# KiCad board panel.kicad_pcb (continued)
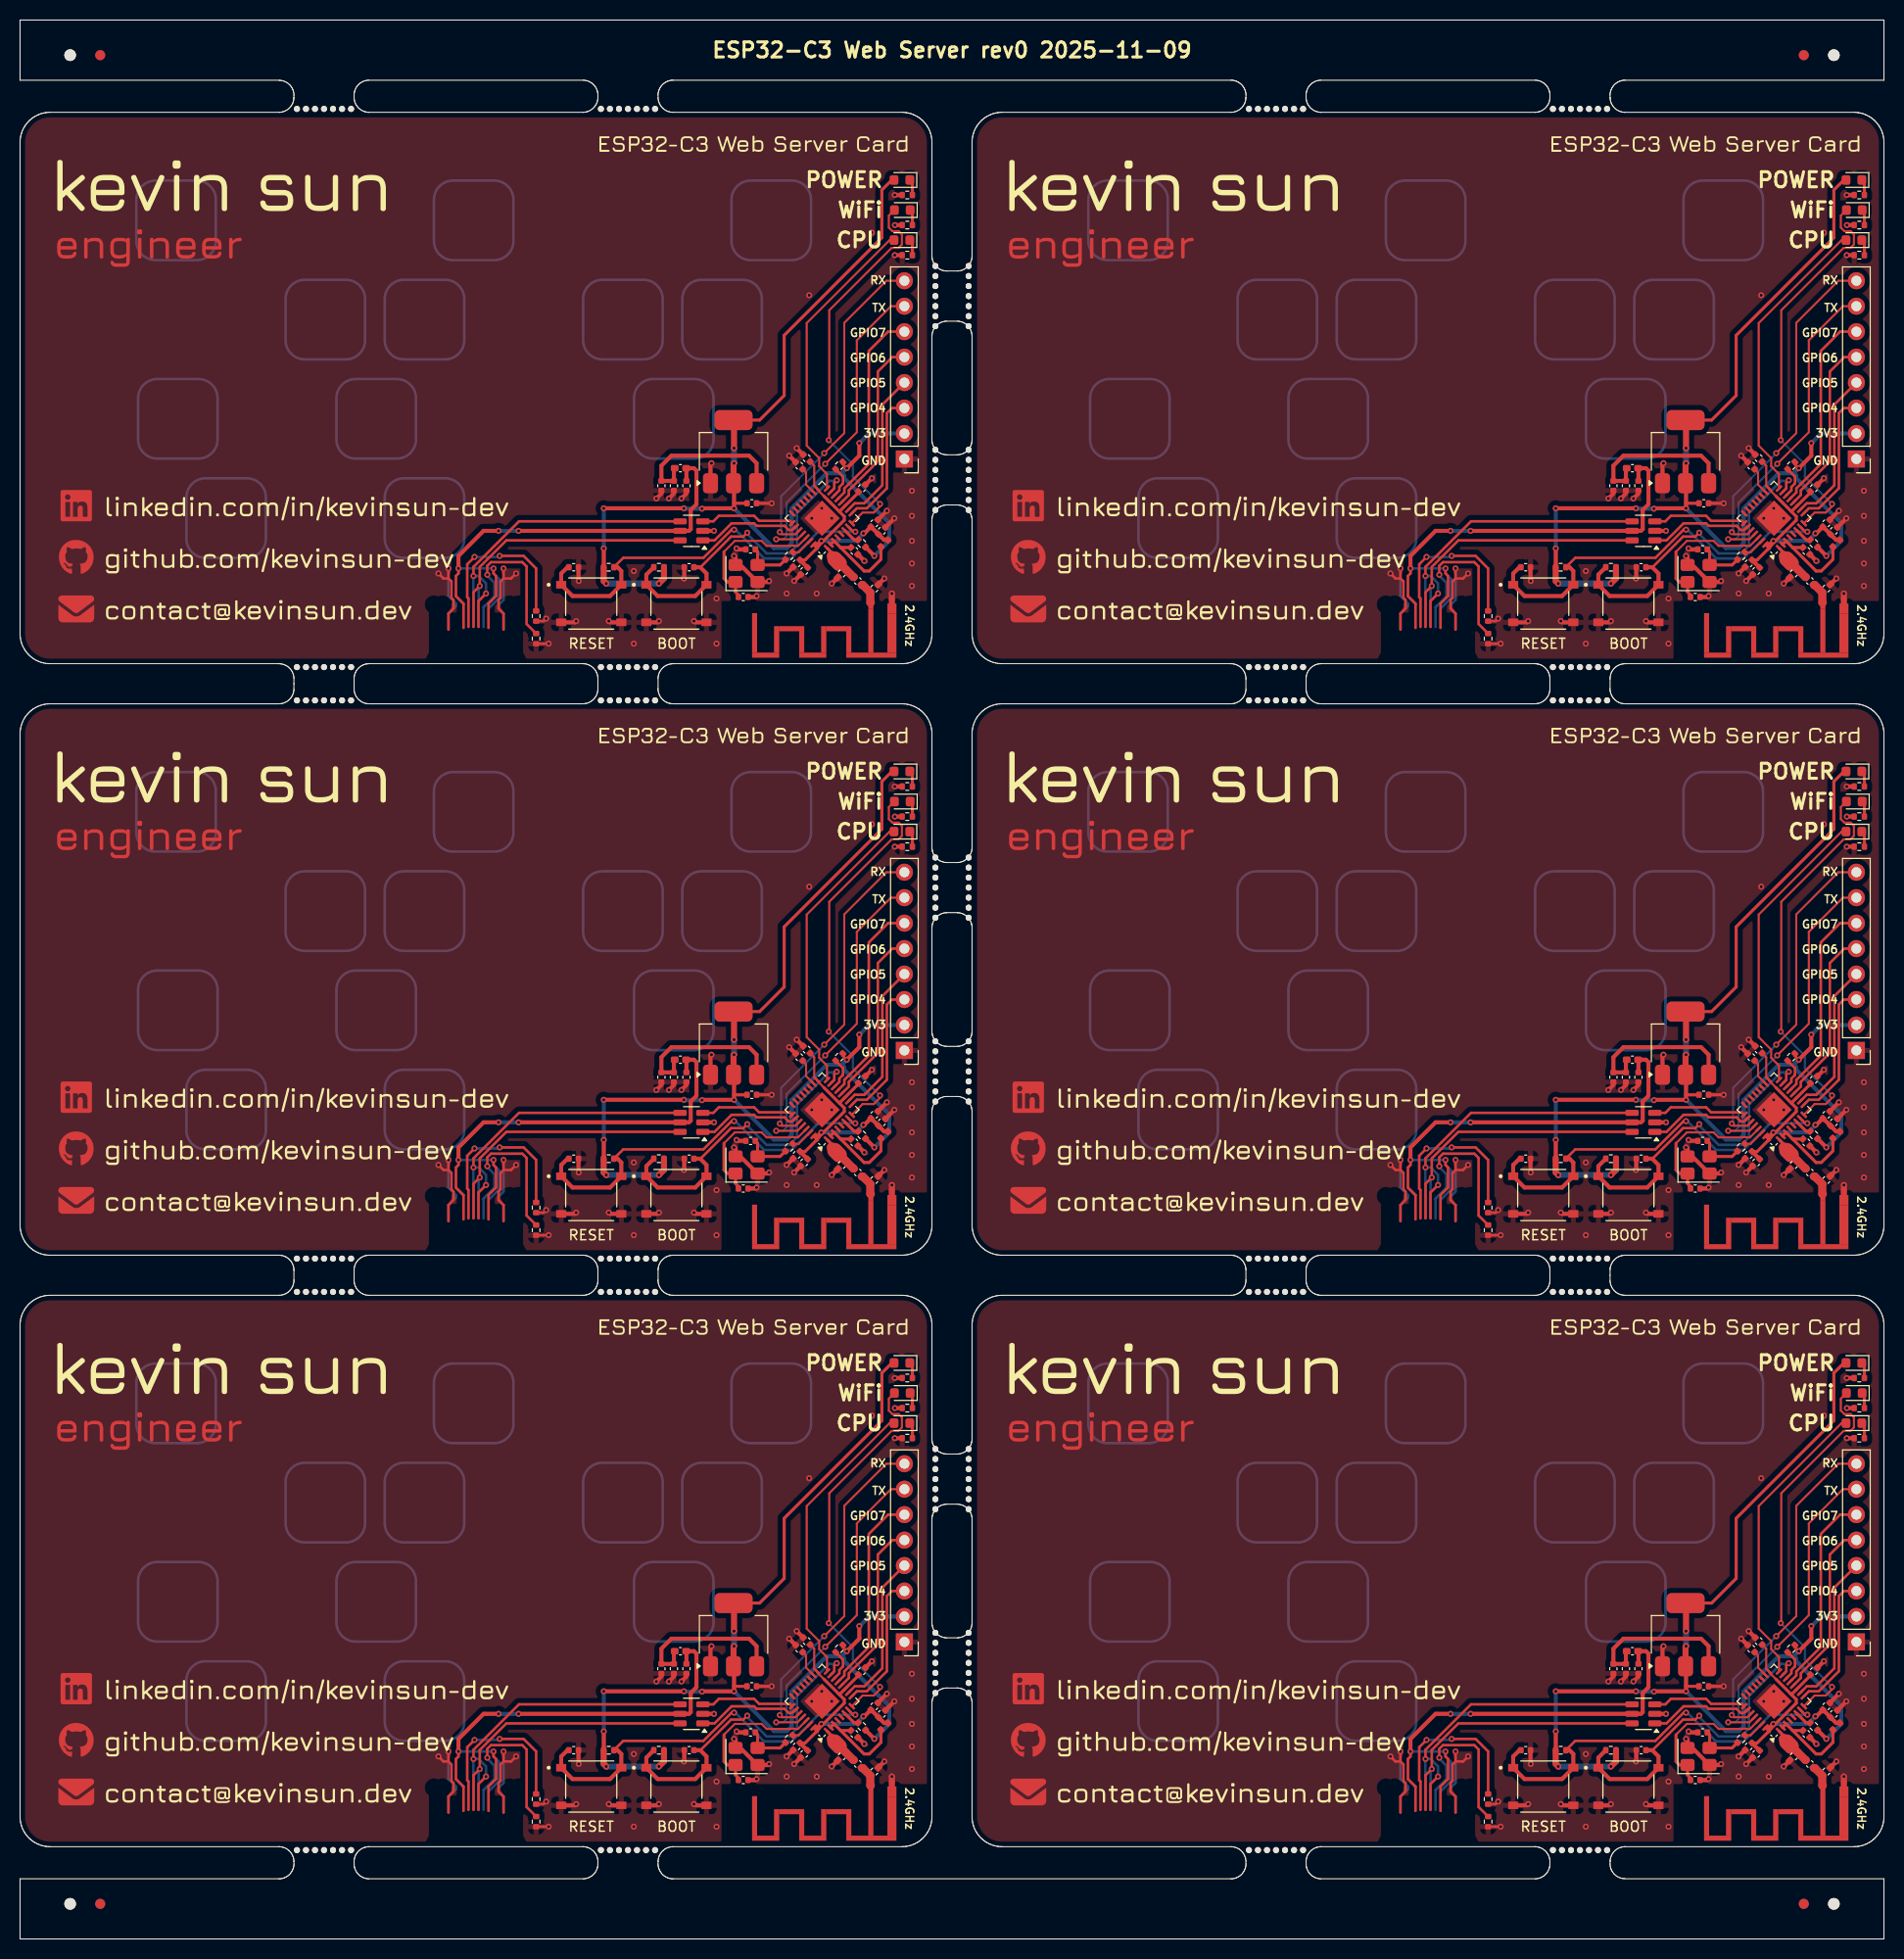
[diagram p0: board, top side]
## Routing (per net, layer and track width the routed paths; a pad name or vN(x,y) marks a point on that pad's centre or on a via; arc(x,y) is an arc through that point) (continued)
Board_1-Net-(D3-K): length 3.2
  Top w0.3: 88.79,175.45 89.05,175.19 89.05,173.95 ; 184.05,167.95 184.05,169.19 D3.1
Board_1-Net-(J1-CC1): length 33.1
  Top w0.2: 78.47,139.8 77.63,138.95 77.28,138.95 77.25,138.98 76.9,138.98 76.87,138.95 74.5,138.95 74,139.45 71.33,139.45 70.25,138.37
  Top w0.25: 139.75,130.88 139.75,133.7 139.62,133.83 139.62,137.12 v1(140.35,137.85) ; R1.2 146.5,136.7 145.25,137.95 v1(142.86,137.95)
  Top w0.3: 70.25,138.37 70.25,135.7 70.6,135.35 71.4,135.35 71.4,134.35 71.69,134.06 71.69,133.85
  Bottom w0.25: v1(142.86,137.95) 142.76,137.85 v1(140.35,137.85)
Board_1-Net-(U1-SPIHD): length 0.1
  Top w0.2: U1.19 173.73,143.97
Board_1-Net-(U4-VI): length 16.7
  Top w0.4: L3.2 160.25,146.62 160.25,145.43 159,145.43 159,146.95 160,147.95 167.75,147.95 168.5,147.2 168.5,145.2 168.75,145.45 ; 168.5,144.41 168.54,144.45
Board_1-unconnected-(U1-XTAL_32K_P-Pad4): length 0.1
  Top w0.2: 78.83,143.97 78.73,143.97
Board_2-+3.3V: length 26.4
  Top w0.2: 80.22,84.92 79.54,85.6 U1#2.17 79.25,85.96 79.25,87.95 78.84,88.36
  Top w0.3: 81.77,83.37 81.77,83.39 U1#2.11 83.66,85.28 83.66,85.36 ; 81.77,83.37 82.25,82.89 82.25,82.52 79.54,79.81 79.54,79.74 ; 81.77,83.37 80.22,84.92 ; 79.54,79.74 79.18,80.09 ; 79.54,79.74 78.34,78.54 77.84,78.54
  Top w0.4: v1(84.16,81.2) 84.25,81.2 84.91,81.86 85.66,81.11 86.23,80.54 L1.1 ; 78.59,77.79 77.84,78.54 ; v1(79.96,80.44) 79.54,80.02 79.54,79.74
  Bottom w0.4: v1(79.96,80.44) 83.42,80.44 84.05,81.07 84.05,81.1 v1(84.16,81.2)
Board_2-+3V3: length 111
  Top w0.25: v1(82.5,87.7) 82.11,88.09 R6.2
  Top w0.3: 87.21,116.45 87,116.45 86,115.45 86,110.7 76.25,100.95 76.25,94.95 73.8,92.5 71.2,92.5 ; 82.29,140.5 83.24,139.56 83.64,139.56 ; 72.54,84.2 71.25,84.2
  Top w0.4: 58.24,77.83 58.25,77.84 v1(58.25,79.7) ; v1(83.75,90.2) 83.75,88.95 v1(82.5,87.7) ; 71.2,86.2 71.25,86.15 v1(71.25,83.7) 68.09,83.7 v1(68.05,83.66) ; v1(66.25,83.7) v1(58.25,83.7) ; 84.36,79.84 v1(85.25,78.95)
  Top w0.6: 64.26,77.83 64.26,76.71 v1(63.75,76.2) ; v1(71.25,89.7) 71.25,92.45 71.2,92.5 ; v1(58.5,76.2) 58.24,76.46 58.24,77.83 ; 71.2,86.2 71.2,88.15 v1(71.25,88.2)
  Bottom w0.25: 82.12,87.33 82.12,87.08
  Bottom w0.4: v1(58.25,83.7) v1(58.25,79.7) ; v1(66.25,83.7) 66.29,83.66 v1(68.05,83.66) ; v1(85.25,78.95) 86.75,80.45 86.75,82.2 82.25,86.7 82.25,86.95 82,87.2 81.79,87.2 81.79,87.2 81.21,87.2 81.21,87.2 80.5,87.2 77,83.7 77,80.2 76.53,79.73 75.22,79.73 v1(71.25,83.7) ; v1(83.75,90.2) 83.77,90.2 84.73,91.16 88.25,91.16 ; v1(82.5,87.7) 82.12,87.33
  Bottom w0.6: v1(71.25,88.2) v1(71.25,89.7) ; v1(58.5,76.2) v1(63.75,76.2)
Board_2-/BOOTSEL: length 60.9
  Top w0.2: 80.22,143.92 79.54,144.6 79.54,144.68 79.25,144.96 79.25,146.95 78.84,147.36
  Top w0.25: v1(72.57,81.27) 72.18,80.88 70.95,80.88 67.9,77.83 C18.1 ; U1#2.15 81.25,85.7 81.25,86.26 v1(81.5,86.5)
  Top w0.3: 79.54,138.74 79.18,139.09 ; 79.54,138.74 79.54,138.81 82.25,141.52 82.25,141.89 81.77,142.37 ; 79.54,138.74 78.34,137.54 77.84,137.54 ; 81.77,142.37 80.22,143.92 ; 81.77,142.37 81.77,142.39 82.29,142.91 83.66,144.28 83.66,144.36
  Top w0.4: 79.54,138.74 79.54,139.02 v1(79.96,139.44) ; 63.24,77.83 62.5,77.09 BOOT.1 63.62,74.95 67.38,74.95 BOOT.1 68.5,77.2 67.88,77.83 C18.1 ; 86.59,139.54 86.23,139.54 85.66,140.11 84.91,140.86 84.25,140.2 v1(84.16,140.2) ; 78.59,136.79 77.84,137.54
  Bottom w0.25: v1(72.57,81.27) 72.57,81.14 74.5,79.2 76.74,79.2 77.53,79.99 77.53,83.23 80.73,86.44 81.43,86.44 v1(81.5,86.5)
  Bottom w0.4: v1(79.96,139.44) 83.42,139.44 84.05,140.07 84.05,140.1 v1(84.16,140.2)
Board_2-/CHIP_EN: length 40.2
  Top w0.25: 59.26,77.83 60.19,78.76 68.19,78.76 71.01,81.57 v1(71.25,81.57) ; U1#2.7 83.14,81.36 v1(83.35,81.36)
  Top w0.4: 59.26,77.83 59.62,77.83 60,77.45 60,76.08 58.88,74.95 55.12,74.95 54,76.08 54,77.2 54.62,77.83 54.77,77.83
  Bottom w0.25: v1(83.35,81.36) 79.66,81.36 77,78.7 74.25,78.7 71.38,81.57 v1(71.25,81.57)
Board_2-/GP2: length 1.7
  Top w0.3: 83.64,80.56 83.24,80.56 U1#2.6
Board_2-/GP8: length 43.5
  Top w0.25: R6.1 82.13,86.85 82.13,86.19 81.76,85.82 81.76,85.5 U1#2.14 81.27,84.97 ; v1(83.35,140.36) 83.14,140.36 82.65,140.86 ; 59.26,136.83 60.19,137.76 68.19,137.76 71.01,140.57 v1(71.25,140.57)
  Top w0.4: 59.26,136.83 59.62,136.83 60,136.45 60,135.08 58.88,133.95 55.12,133.95 54,135.08 54,136.2 54.62,136.83 54.77,136.83
  Bottom w0.25: v1(71.25,140.57) 71.38,140.57 74.25,137.7 77,137.7 79.66,140.36 v1(83.35,140.36)
Board_2-/LED_A: length 44.4
  Top w0.2: v1(85.82,84.14) 85.82,83.9 85.19,83.28 84.07,83.28 83.01,82.21 U1#2.8 ; 87.25,113.45 86.7,112.9 86.7,111.7 87.05,111.35 87.69,111.35 88,111.04 88,110.02 87.65,109.68 86.97,109.68 80.75,103.45 80.75,90.55 v1(80.7,90.5)
  Top w0.3: 171.39,137.59 170.85,137.05 168.6,137.05 168.6,138.38 168.38,138.6
  Bottom w0.2: v1(80.7,90.5) 83.1,88.1 83.1,86.85 v1(85.82,84.14)
Board_2-/LED_B: length 47.7
  Top w0.2: 87.21,110.45 86.78,110.45 78.5,102.18 78.5,89.95 79.75,88.7 79.75,87.89 80.53,87.11 U1#2.16
  Top w0.25: v1(141.63,136.08) 141.62,136.08 141.62,136.96 141.99,137.33 145.12,137.33 145.55,136.9 145.55,131.16 146.5,130.21
  Bottom w0.25: 141.25,130.88 141.25,132.83 141.35,132.93 141.35,132.94 142.35,133.94 142.35,135.27 141.63,135.98 v1(141.63,136.08)
Board_2-/LNA_IN: length 4
  Top w0.3: 81,78.95 81,79.26 U1#2.1
  Top w0.8: 83.2,76.86 83.15,76.86 82.4,77.6 81.8,78.2
  Top w1: 81.3,78.65 81,78.95
  Top w1.5: 81.3,78.65 81.75,78.2
Board_2-/MTCK: length 17.8
  Top w0.25: 88.25,98.78 87.04,98.78 85.6,97.34 85.6,88.39 82.71,85.5 82.71,85.03 U1#2.12
Board_2-/MTDI: length 17.2
  Top w0.25: U1#2.10 83.29,84.2 84.25,84.2 86.05,86 86.05,94.04 88.25,96.24
  Top w0.3: 184.05,170.95 184.05,172.23 183.82,172.45
Board_2-/MTDO: length 20.4
  Top w0.25: 88.25,101.32 86.62,101.32 84.7,99.4 84.7,88.13 82.26,85.68 82.26,85.29 U1#2.13
Board_2-/MTMS: length 14
  Top w0.25: 88.25,93.7 87,93.7 86.5,93.2 86.5,85.7 84.5,83.7 83.5,83.7 U1#2.9
Board_2-/U0RXD: length 33.7
  Top w0.2: U1#2.27 77.38,81.11 76.03,81.11 v1(75.82,81.33) ; v1(80.25,89.2) 82.25,91.2 82.25,102.2 86.45,106.4 88.25,106.4
  Bottom w0.2: v1(75.82,81.33) 75.94,81.2 75.94,84.89 v1(80.25,89.2)
Board_2-/U0TXD: length 32.6
  Top w0.2: v1(80.35,88.14) 83.5,91.29 83.5,100.45 86.91,103.86 88.25,103.86 ; U1#2.28 77.58,80.61 v1(75.46,80.61)
  Bottom w0.2: v1(80.35,88.14) 76.5,84.29 76.5,80.95 76.16,80.61 v1(75.46,80.61)
Board_2-/USB_DN: length 9.5
  Top w0.25: U1#2.25 76.82,82.45 73.75,82.45 73.25,82.95 69.74,82.95 69.19,82.4 68.14,82.4
Board_2-/USB_DP: length 10.4
  Top w0.25: U1#2.26 77.38,81.89 77.03,81.54 76.71,81.54 76.29,81.95 73.5,81.95 73.25,82.2 71,82.2 69.3,80.5 68.14,80.5
Board_2-/XTAL_N: length 14.8
  Top w0.2: 70.25,79.37 71.33,80.45 74,80.45 74.5,79.95 76.87,79.95 76.9,79.98 77.25,79.98 77.28,79.95 77.63,79.95 U1#2.29
  Top w0.3: 71.69,74.85 71.69,75.06 71.4,75.35 71.4,76.35 70.6,76.35 70.25,76.7 70.25,79.37
Board_2-/XTAL_P: length 2.2
  Top w0.2: R5#2.1 77.7,79.31 U1#2.30
Board_2-GND: length 119.9
  Top w0.25: 82.11,147.31 82.11,147.09 v1(82.5,146.7)
  Top w0.3: 72.54,143.2 71.25,143.2 ; 71.2,151.5 73.8,151.5 76.25,153.95 76.25,159.95 86,169.7 86,174.45 87,175.45 87.21,175.45
  Top w0.4: v1(69,88.2) 68.9,88.1 U4#2.1 ; R9.2 v1(87.3,111.95) ; C3#2.2 v1(86.5,83.45) ; 84.36,138.84 v1(85.25,137.95) ; C13.2 66.5,85.18 v1(66,84.68) ; v1(82.5,146.7) 83.75,147.95 v1(83.75,149.2) ; 71.2,145.2 71.25,145.15 v1(71.25,142.7) 68.09,142.7 v1(68.05,142.66) ; v1(67.25,72.45) 67.38,72.33 BOOT.2 ; C4.2 v1(76.75,88.95) ; 58.24,136.83 58.25,136.84 v1(58.25,138.7) ; BOOT.2 63.62,72.33 v1(63.75,72.45) ; v1(66.25,142.7) v1(58.25,142.7) ; C18.2 66.29,76.74 v1(66.25,76.7) ; C1#2.2 v1(84.25,78.45)
  Top w0.6: 58.24,136.83 58.24,135.46 v1(58.5,135.2) ; 64.26,136.83 64.26,135.71 v1(63.75,135.2) ; 71.2,151.5 71.25,151.45 v1(71.25,148.7) ; v1(71.25,147.2) 71.2,147.15 71.2,145.2
  Bottom w0.25: 82.12,146.33 82.12,146.08
  Bottom w0.4: v1(68.05,142.66) 66.29,142.66 v1(66.25,142.7) ; v1(85.25,137.95) 86.75,139.45 86.75,141.2 82.25,145.7 82.25,145.95 82,146.2 81.79,146.2 81.79,146.2 81.21,146.2 81.21,146.2 80.5,146.2 77,142.7 77,139.2 76.53,138.73 75.22,138.73 v1(71.25,142.7) ; v1(82.5,146.7) 82.12,146.33 ; v1(83.75,149.2) 83.77,149.2 84.73,150.16 88.25,150.16 ; v1(58.25,142.7) v1(58.25,138.7)
  Bottom w0.6: v1(58.5,135.2) v1(63.75,135.2) ; v1(71.25,147.2) v1(71.25,148.7)
  vias: v1(79,82.7) v1(80,83.7) v1(81,82.7)
Board_2-Net-(C1-Pad1): length 73.1
  Top w0.25: 42.75,130.6 42.75,132.2 43.25,132.7 43.25,133.56 43.05,133.77 43.05,135.4 42.75,135.7 ; 42.75,135.7 v1(42.75,136.7) ; 42.75,135.7 42.25,135.7 v1(41.75,136.2) ; v1(48.25,136.7) 48.25,135.7 ; 48.25,135.7 49,135.7 v1(49.5,136.2) ; 48.25,135.7 47.95,135.4 47.95,133.77 47.75,133.56 47.75,132.7 48.25,132.2 48.25,130.6 ; 51.5,129.19 52.24,129.19 52.25,129.2 v1(52.75,129.2) ; 51.5,131.44 52.24,131.44 v1(52.5,131.7)
  Top w0.3: 73.5,143.2 v1(75,143.2) ; 81.89,79.79 C1#2.1 ; 81.89,79.79 84.22,77.45 84.75,77.45 85.91,78.61 L1.2 ; 81.89,79.79 U1#2.3 U1#2.2
  Top w0.4: 66.5,144.47 66.5,144.18 v1(66,143.68) ; 72.65,133.85 73.4,133.85 v1(73.5,133.95) ; v1(58.75,131.45) 58.88,131.33 60,131.33 ; 86.34,140.79 v1(87.25,141.7) ; v1(71.25,137.95) 71.4,137.8 71.4,137.05 71.87,137.05 73.57,135.35 73.6,135.35 74.65,135.35 v1(74.75,135.45) ; v1(69,147.2) 68.9,147.1 68.9,145.2 ; 64,144.47 64,144.18 v1(63.5,143.68) ; 88.03,167.95 v1(87.29,167.95) ; 68.5,131.33 67.38,131.33 v1(67.25,131.45) ; 85.59,141.54 v1(86.5,142.45) ; 65.25,144.47 65.25,144.18 v1(64.75,143.68) ; 88.03,170.95 v1(87.3,170.95) ; v1(55.5,131.45) 55.38,131.33 54,131.33 ; 88.03,173.95 v1(87.29,173.95) ; 72.42,138.6 71.6,138.6 v1(71.5,138.7) ; 78.16,148.04 v1(77.5,148.7) ; 68.14,140.45 v1(69.25,140.45) ; 84.34,145.04 v1(85,145.7) ; 83.59,138.11 v1(84.25,137.45) ; 77.91,136.11 v1(77.25,135.45) ; 77.41,147.29 v1(76.75,147.95) ; v1(63.75,131.45) 63.62,131.33 62.5,131.33 ; 85.65,135.1 v1(86.25,135.7) ; 81.6,135.8 v1(81,135.2)
  Top w0.6: v1(87,134.2) 87,132.7
  Bottom w0.25: v1(42.75,136.7) 42.75,133.95 43.5,133.2 43.5,132.95 42.75,132.2 42.75,130.6 42.75,130.6 ; 48.25,130.6 48.25,132.2 47.75,132.7 47.75,133.06 48.25,133.56 v1(48.25,136.7)
  vias: v1(61.25,136.45) v1(61.25,129.2) v1(69.5,133.7) v1(69.5,129.2) v1(76.5,134.2) v1(78.75,163.95) v1(79,141.7) v1(79.5,134.2) v1(80,142.7) v1(81,141.7) v1(85,170.2) v1(89,144.45) v1(89,141.95) v1(89,139.45) v1(89,137.2) v1(89,134.95)
Board_2-Net-(C10-Pad1): length 4.7
  Top w0.3: 73.38,79.6 73.6,79.38 73.6,78.05 75.85,78.05 R5#2.2
Board_2-Net-(D2-K): length 3.2
  Top w0.3: 88.79,169.45 89.05,169.19 89.05,167.95 ; 88.82,113.45 89.05,113.23 R9.1
Board_2-Net-(U1-SPIHD): length 31.5
  Top w0.2: U1#2.19 78.73,84.97
  Top w0.25: 140.25,130.88 140.25,134.33 140.88,134.95 v1(140.88,134.95) 140.88,136.85 143.53,139.5 160.86,139.5
  Bottom w0.25: v1(140.88,134.95) 140.88,134.95 140.75,134.83 140.75,130.88
Board_2-Net-(U1-SPIWP): length 34.7
  Top w0.25: 160.86,141.4 144.79,141.4 140.25,136.86 v1(140.25,135.95) ; v1(141.5,134.2) 140.75,133.45 140.75,130.88
  Bottom w0.25: v1(141.5,134.2) 141.5,135.21 140.76,135.95 v1(140.25,135.95) 140.25,130.88
Board_2-Net-(U4-VI): length 16.7
  Top w0.4: 73.5,85.41 73.54,85.45 ; 65.33,87.7 65.25,87.62 65.25,86.43 64,86.43 64,87.95 65,88.95 72.75,88.95 73.5,88.2 U4#2.3 73.75,86.45
Board_2-unconnected-(U1-XTAL_32K_N-Pad5): length 61.6
  Top w0.25: 143.25,130.6 143.25,132.2 142.75,132.7 142.75,133.56 142.95,133.77 142.95,135.4 143.25,135.7 ; 137.75,135.7 v1(137.75,136.7) ; 137.75,135.7 138.05,135.4 138.05,133.77 138.25,133.56 138.25,132.7 137.75,132.2 137.75,130.6 ; 137.75,135.7 137.25,135.7 v1(136.75,136.2) ; v1(143.25,136.7) 143.25,135.7 ; 143.25,135.7 144,135.7 v1(144.5,136.2) ; 146.5,129.19 147.24,129.19 147.25,129.2 v1(147.75,129.2)
  Top w0.4: 161.29,136.83 161.29,135.74 v1(161.25,135.7) ; 160.25,144.47 160.25,144.18 v1(159.75,143.68) ; v1(166.25,137.95) 166.4,137.8 166.4,137.05 166.87,137.05 168.57,135.35 168.6,135.35 169.65,135.35 v1(169.75,135.45) ; v1(168.5,133.95) 168.4,133.85 167.65,133.85 ; 183.03,167.95 v1(182.29,167.95) ; v1(158.5,143.68) 159,144.18 159,144.47 ; v1(150.75,135.45) 150.73,135.47 150.73,136.83 ; 176.6,135.8 v1(176,135.2) ; 163.5,131.33 162.38,131.33 v1(162.25,131.45) ; 173.16,148.04 v1(172.5,148.7) ; 180.59,141.54 v1(181.5,142.45) ; 172.91,136.11 v1(172.25,135.45) ; 181.34,140.79 v1(182.25,141.7) ; v1(166.5,138.7) 166.6,138.6 167.42,138.6 ; 172.16,136.86 v1(171.5,136.2) ; 172.41,147.29 v1(171.75,147.95) ; 180.65,135.1 v1(181.25,135.7) ; 183.03,170.95 v1(182.3,170.95) ; 149,131.33 150.38,131.33 v1(150.5,131.45) ; 157.5,131.33 158.62,131.33 v1(158.75,131.45) ; 163.9,145.2 163.9,147.1 v1(164,147.2) ; 155,131.33 153.88,131.33 v1(153.75,131.45) ; 163.14,140.45 v1(164.25,140.45) ; v1(161,143.68) 161.5,144.18 161.5,144.47 ; 179.34,145.04 v1(180,145.7)
  Bottom w0.25: 137.75,130.6 137.75,130.6 137.75,132.2 138.5,132.95 138.5,133.2 137.75,133.95 v1(137.75,136.7) ; 143.25,130.6 143.25,132.2 142.75,132.7 142.75,133.06 143.25,133.56 v1(143.25,136.7)
  vias: v1(156.25,136.45) v1(156.25,129.2) v1(164.5,133.7) v1(164.5,129.2) v1(171.5,134.2) v1(173.75,163.95) v1(174.5,134.2) v1(180,170.2) v1(184,144.45) v1(184,141.95) v1(184,139.45) v1(184,137.2) v1(184,134.95)
Board_3-+3.3V: length 26.4
  Top w0.2: 175.22,84.92 174.54,85.6 U1#3.17 174.25,85.96 174.25,87.95 173.84,88.36
  Top w0.3: 178.66,85.36 178.66,85.28 U1#3.11 176.77,83.39 176.77,83.37 ; 172.84,78.54 173.34,78.54 174.54,79.74 ; 176.77,83.37 175.22,84.92 ; 176.77,83.37 177.25,82.89 177.25,82.52 174.54,79.81 174.54,79.74 ; 174.54,79.74 174.18,80.09
  Top w0.4: 181.59,80.54 181.23,80.54 180.66,81.11 C3#3.1 179.25,81.2 v1(179.16,81.2) ; 174.54,79.74 174.54,80.02 v1(174.96,80.44) ; 173.59,77.79 172.84,78.54
  Bottom w0.4: v1(179.16,81.2) 179.05,81.1 179.05,81.07 178.42,80.44 v1(174.96,80.44)
Board_3-+3V3: length 118.7
  Top w0.25: 177.11,88.31 177.11,88.09 v1(177.5,87.7) ; 77.06,141.21 76.82,141.45 73.75,141.45 73.25,141.95 69.74,141.95 69.19,141.4 68.14,141.4
  Top w0.3: 167.54,84.2 166.25,84.2 ; D1.2 182,116.45 181,115.45 181,110.7 171.25,100.95 171.25,94.95 168.8,92.5 166.2,92.5
  Top w0.4: v1(163.05,83.66) 163.09,83.7 v1(166.25,83.7) 166.25,86.15 166.2,86.2 ; v1(153.25,79.7) 153.25,77.84 153.24,77.83 ; v1(178.75,90.2) 178.75,88.95 v1(177.5,87.7) ; 179.36,79.84 v1(180.25,78.95) ; v1(161.25,83.7) v1(153.25,83.7)
  Top w0.6: v1(166.25,89.7) 166.25,92.45 166.2,92.5 ; 153.24,77.83 153.24,76.46 v1(153.5,76.2) ; 159.26,77.83 159.26,76.71 v1(158.75,76.2) ; v1(166.25,88.2) 166.2,88.15 166.2,86.2
  Bottom w0.25: 177.12,87.33 177.12,87.08
  Bottom w0.4: v1(180.25,78.95) 181.75,80.45 181.75,82.2 177.25,86.7 177.25,86.95 177,87.2 176.79,87.2 176.79,87.2 176.21,87.2 176.21,87.2 175.5,87.2 172,83.7 172,80.2 171.53,79.73 170.22,79.73 v1(166.25,83.7) ; v1(163.05,83.66) 161.29,83.66 v1(161.25,83.7) ; v1(178.75,90.2) 178.77,90.2 179.73,91.16 J2.2 ; v1(177.5,87.7) 177.12,87.33 ; v1(153.25,83.7) v1(153.25,79.7)
  Bottom w0.6: v1(166.25,88.2) v1(166.25,89.7) ; v1(153.5,76.2) v1(158.75,76.2)
Board_3-/BOOTSEL: length 34.6
  Top w0.25: v1(167.57,81.27) 167.18,80.88 165.95,80.88 162.9,77.83 162.25,77.83 ; v1(176.5,86.5) 176.25,86.26 176.25,85.7 U1#3.15
  Top w0.4: 162.25,77.83 162.88,77.83 163.5,77.2 163.5,76.08 162.38,74.95 158.62,74.95 157.5,76.08 157.5,77.09 158.24,77.83
  Bottom w0.25: v1(167.57,81.27) 167.57,81.14 169.5,79.2 171.74,79.2 172.53,79.99 172.53,83.23 175.73,86.44 176.43,86.44 v1(176.5,86.5)
Board_3-/CHIP_EN: length 40.2
  Top w0.25: v1(166.25,81.57) 166.01,81.57 163.19,78.76 155.19,78.76 154.26,77.83 ; U1#3.7 178.14,81.36 v1(178.35,81.36)
  Top w0.4: 154.26,77.83 154.62,77.83 155,77.45 155,76.08 153.88,74.95 150.12,74.95 149,76.08 149,77.2 149.62,77.83 C17#3.1
  Bottom w0.25: v1(166.25,81.57) 166.38,81.57 169.25,78.7 172,78.7 174.66,81.36 v1(178.35,81.36)
Board_3-/GP2: length 36.4
  Top w0.25: v1(45.25,76.95) 45.25,77.86 49.79,82.4 65.86,82.4 ; 45.75,71.88 45.75,74.45 v1(46.5,75.2)
  Top w0.3: 178.64,80.56 178.24,80.56 U1#3.6
  Bottom w0.25: v1(46.5,75.2) 46.5,76.21 45.76,76.95 v1(45.25,76.95) 45.25,71.88
Board_3-/GP8: length 3.3
  Top w0.25: 176.27,84.97 U1#3.14 176.76,85.5 176.76,85.82 177.13,86.19 177.13,86.85 176.39,87.59
Board_3-/LED_A: length 39.8
  Top w0.2: v1(175.7,90.5) 175.75,90.55 175.75,103.45 181.97,109.68 182.65,109.68 183,110.02 183,111.04 182.69,111.35 182.05,111.35 181.7,111.7 181.7,112.9 182.25,113.45 ; v1(180.82,84.14) 180.82,83.9 180.19,83.28 179.07,83.28 178.01,82.21 U1#3.8
  Bottom w0.2: v1(175.7,90.5) 178.1,88.1 178.1,86.85 v1(180.82,84.14)
Board_3-/LED_B: length 29.5
  Top w0.2: 182.21,110.45 181.78,110.45 173.5,102.18 173.5,89.95 174.75,88.7 174.75,87.89 175.53,87.11 U1#3.16
Board_3-/LNA_IN: length 38.7
  Top w0.25: 45.75,130.88 45.75,133.45 v1(46.5,134.2) ; v1(45.25,135.95) 45.25,136.86 49.79,141.4 65.86,141.4
  Top w0.3: U1#3.1 176,79.26 176,78.95
  Top w0.8: 178.2,76.86 178.15,76.86 C12#2.1 176.8,78.2
  Top w1: 176.3,78.65 176,78.95
  Top w1.5: 176.3,78.65 176.75,78.2
  Bottom w0.25: 45.25,130.88 v1(45.25,135.95) 45.76,135.95 46.5,135.21 v1(46.5,134.2)
Board_3-/MTCK: length 17.8
  Top w0.25: U1#3.12 177.71,85.03 177.71,85.5 180.6,88.39 180.6,97.34 182.04,98.78 J2.5
Board_3-/MTDI: length 15.6
  Top w0.25: U1#3.10 178.29,84.2 179.25,84.2 181.05,86 181.05,94.04 J2.4
Board_3-/MTDO: length 20.4
  Top w0.25: U1#3.13 177.26,85.29 177.26,85.68 179.7,88.13 179.7,99.4 181.62,101.32 J2.6
Board_3-/MTMS: length 14
  Top w0.25: U1#3.9 178.5,83.7 179.5,83.7 181.5,85.7 181.5,93.2 182,93.7 J2.3
Board_3-/U0RXD: length 33.7
  Top w0.2: U1#3.27 172.38,81.11 171.03,81.11 v1(170.82,81.33) ; v1(175.25,89.2) 177.25,91.2 177.25,102.2 181.45,106.4 J2.8
  Bottom w0.2: v1(175.25,89.2) 170.94,84.89 170.94,81.2 v1(170.82,81.33)
Board_3-/U0TXD: length 32.6
  Top w0.2: U1#3.28 172.58,80.61 v1(170.46,80.61) ; J2.7 181.91,103.86 178.5,100.45 178.5,91.29 v1(175.35,88.14)
  Bottom w0.2: v1(170.46,80.61) 171.16,80.61 171.5,80.95 171.5,84.29 v1(175.35,88.14)
Board_3-/USB_DN: length 9.5
  Top w0.25: 163.14,82.4 164.19,82.4 164.74,82.95 168.25,82.95 168.75,82.45 171.82,82.45 U1#3.25
Board_3-/USB_DP: length 10.4
  Top w0.25: U1#3.26 172.38,81.89 172.03,81.54 171.71,81.54 171.29,81.95 168.5,81.95 168.25,82.2 166,82.2 164.3,80.5 163.14,80.5
Board_3-/XTAL_N: length 14.8
  Top w0.2: 165.25,79.37 166.33,80.45 169,80.45 169.5,79.95 171.87,79.95 171.9,79.98 172.25,79.98 172.28,79.95 172.63,79.95 U1#3.29
  Top w0.3: 166.69,74.85 166.69,75.06 166.4,75.35 Y1#3.1 165.6,76.35 165.25,76.7 165.25,79.37
Board_3-/XTAL_P: length 2.2
  Top w0.2: U1#3.30 172.7,79.31 R5#3.1
Board_3-GND: length 62.3
  Top w0.2: v1(80.7,149.5) 80.75,149.55 80.75,162.45 86.97,168.68 87.65,168.68 88,169.02 88,170.04 87.69,170.35 87.05,170.35 86.7,170.7 86.7,171.9 87.25,172.45 ; 83,141.21 83.01,141.21 84.07,142.28 85.19,142.28 85.82,142.9 v1(85.82,143.14)
  Top w0.25: v1(147.75,70.2) 147.25,70.2 147.24,70.19 R2.2
  Top w0.3: C16#3.2 v1(170,84.2)
  Top w0.4: C1#4.2 v1(179.25,78.45) ; C11#4.2 v1(181.25,76.7) ; C14#2.2 160.25,85.18 v1(159.75,84.68) ; C8.2 v1(172.25,76.45) ; R8#2.2 v1(182.29,114.95) ; C9.2 168.4,74.85 v1(168.5,74.95) ; R9#2.2 v1(182.3,111.95) ; C15.2 159,85.18 v1(158.5,84.68) ; C3#3.2 v1(181.5,83.45) ; C17#3.2 150.73,76.47 v1(150.75,76.45) ; v1(169.75,76.45) 169.65,76.35 Y1#3.2 168.57,76.35 166.87,78.05 Y1#3.4 166.4,78.8 v1(166.25,78.95) ; v1(153.75,72.45) 153.88,72.33 RESET#3.2 ; C2#2.2 v1(182.25,82.7) ; RESET#3.2 150.38,72.33 v1(150.5,72.45) ; C12#2.2 v1(176,76.2)
  Bottom w0.2: v1(85.82,143.14) 83.1,145.85 83.1,147.1 v1(80.7,149.5)
  vias: v1(174,82.7) v1(175,83.7) v1(176,82.7)
Board_3-Net-(AE1-FEED): length 2.2
  Top w0.8: 179.9,74.3 179.85,74.3 C11#4.1 179.1,76.05 179,76.05
Board_3-Net-(C1-Pad1): length 27.4
  Top w0.25: 51.5,73.46 51.5,77.7 50.25,78.95 v1(47.86,78.95) ; v1(45.35,78.85) 44.62,78.12 44.62,74.83 44.75,74.7 44.75,71.88
  Top w0.3: L1#4.2 180.91,78.61 179.75,77.45 179.22,77.45 176.89,79.79 ; 176.89,79.79 C1#4.1 ; 176.89,79.79 U1#3.3 U1#3.2
  Bottom w0.25: v1(47.86,78.95) 47.76,78.85 v1(45.35,78.85)
Board_3-Net-(C10-Pad1): length 6.3
  Top w0.3: 168.38,79.6 168.6,79.38 Y1#3.3 170.85,78.05 R5#3.2 ; 88.79,110.45 89.05,110.19 89.05,108.95
Board_3-Net-(D1-K): length 34.2
  Top w0.2: v1(75.46,139.61) 77.58,139.61 78.12,140.15 ; 88.25,162.86 86.91,162.86 83.5,159.45 83.5,150.29 v1(80.35,147.14)
  Top w0.3: R8#2.1 184.05,116.19 D1.1
  Bottom w0.2: v1(75.46,139.61) 76.16,139.61 76.5,139.95 76.5,143.29 v1(80.35,147.14)
Board_3-Net-(D2-K): length 1.6
  Top w0.3: R9#2.1 184.05,113.23 183.82,113.45
Board_3-Net-(J1-CC2): length 18.2
  Top w0.25: v1(141.63,77.08) 141.62,77.08 141.62,77.96 141.99,78.33 145.12,78.33 145.55,77.9 145.55,72.16 R2.1
  Bottom w0.25: v1(141.63,77.08) 141.63,76.98 142.35,76.27 142.35,74.94 141.35,73.94 141.35,73.93 141.25,73.83 141.25,71.88
Board_3-Net-(J1-D--PadA7): length 34.7
  Top w0.25: U3#5.4 144.79,82.4 140.25,77.86 v1(140.25,76.95) ; v1(141.5,75.2) 140.75,74.45 140.75,71.88
  Bottom w0.25: v1(141.5,75.2) 141.5,76.21 140.76,76.95 v1(140.25,76.95) 140.25,71.88
Board_3-Net-(U1-SPIHD): length 0.1
  Top w0.2: U1#3.19 173.73,84.97
Board_3-Net-(U4-VI): length 20
  Top w0.25: 81.27,143.97 81.23,143.97 81.76,144.5 81.76,144.82 82.13,145.19 82.13,145.85 81.39,146.59
  Top w0.4: 168.5,85.41 168.54,85.45 ; 168.75,86.45 168.5,86.2 168.5,88.2 167.75,88.95 160,88.95 159,87.95 C15.1 C14#2.1 160.25,87.62 160.33,87.7
Board_3-unconnected-(U1-XTAL_32K_N-Pad5): length 31.4
  Top w0.25: 65.86,80.5 48.53,80.5 45.88,77.85 v1(45.88,75.95) 45.88,75.95 45.25,75.33 45.25,71.88
  Bottom w0.25: v1(45.88,75.95) 45.88,75.95 45.75,75.83 45.75,71.88
Board_3-unconnected-(U1-XTAL_32K_P-Pad4): length 18.2
  Top w0.25: v1(46.63,77.08) 46.62,77.08 46.62,77.96 46.99,78.33 50.12,78.33 50.55,77.9 50.55,72.16 51.5,71.21